# Altium PCB STM32F405.PcbDoc (part 1 of 3) (continued)
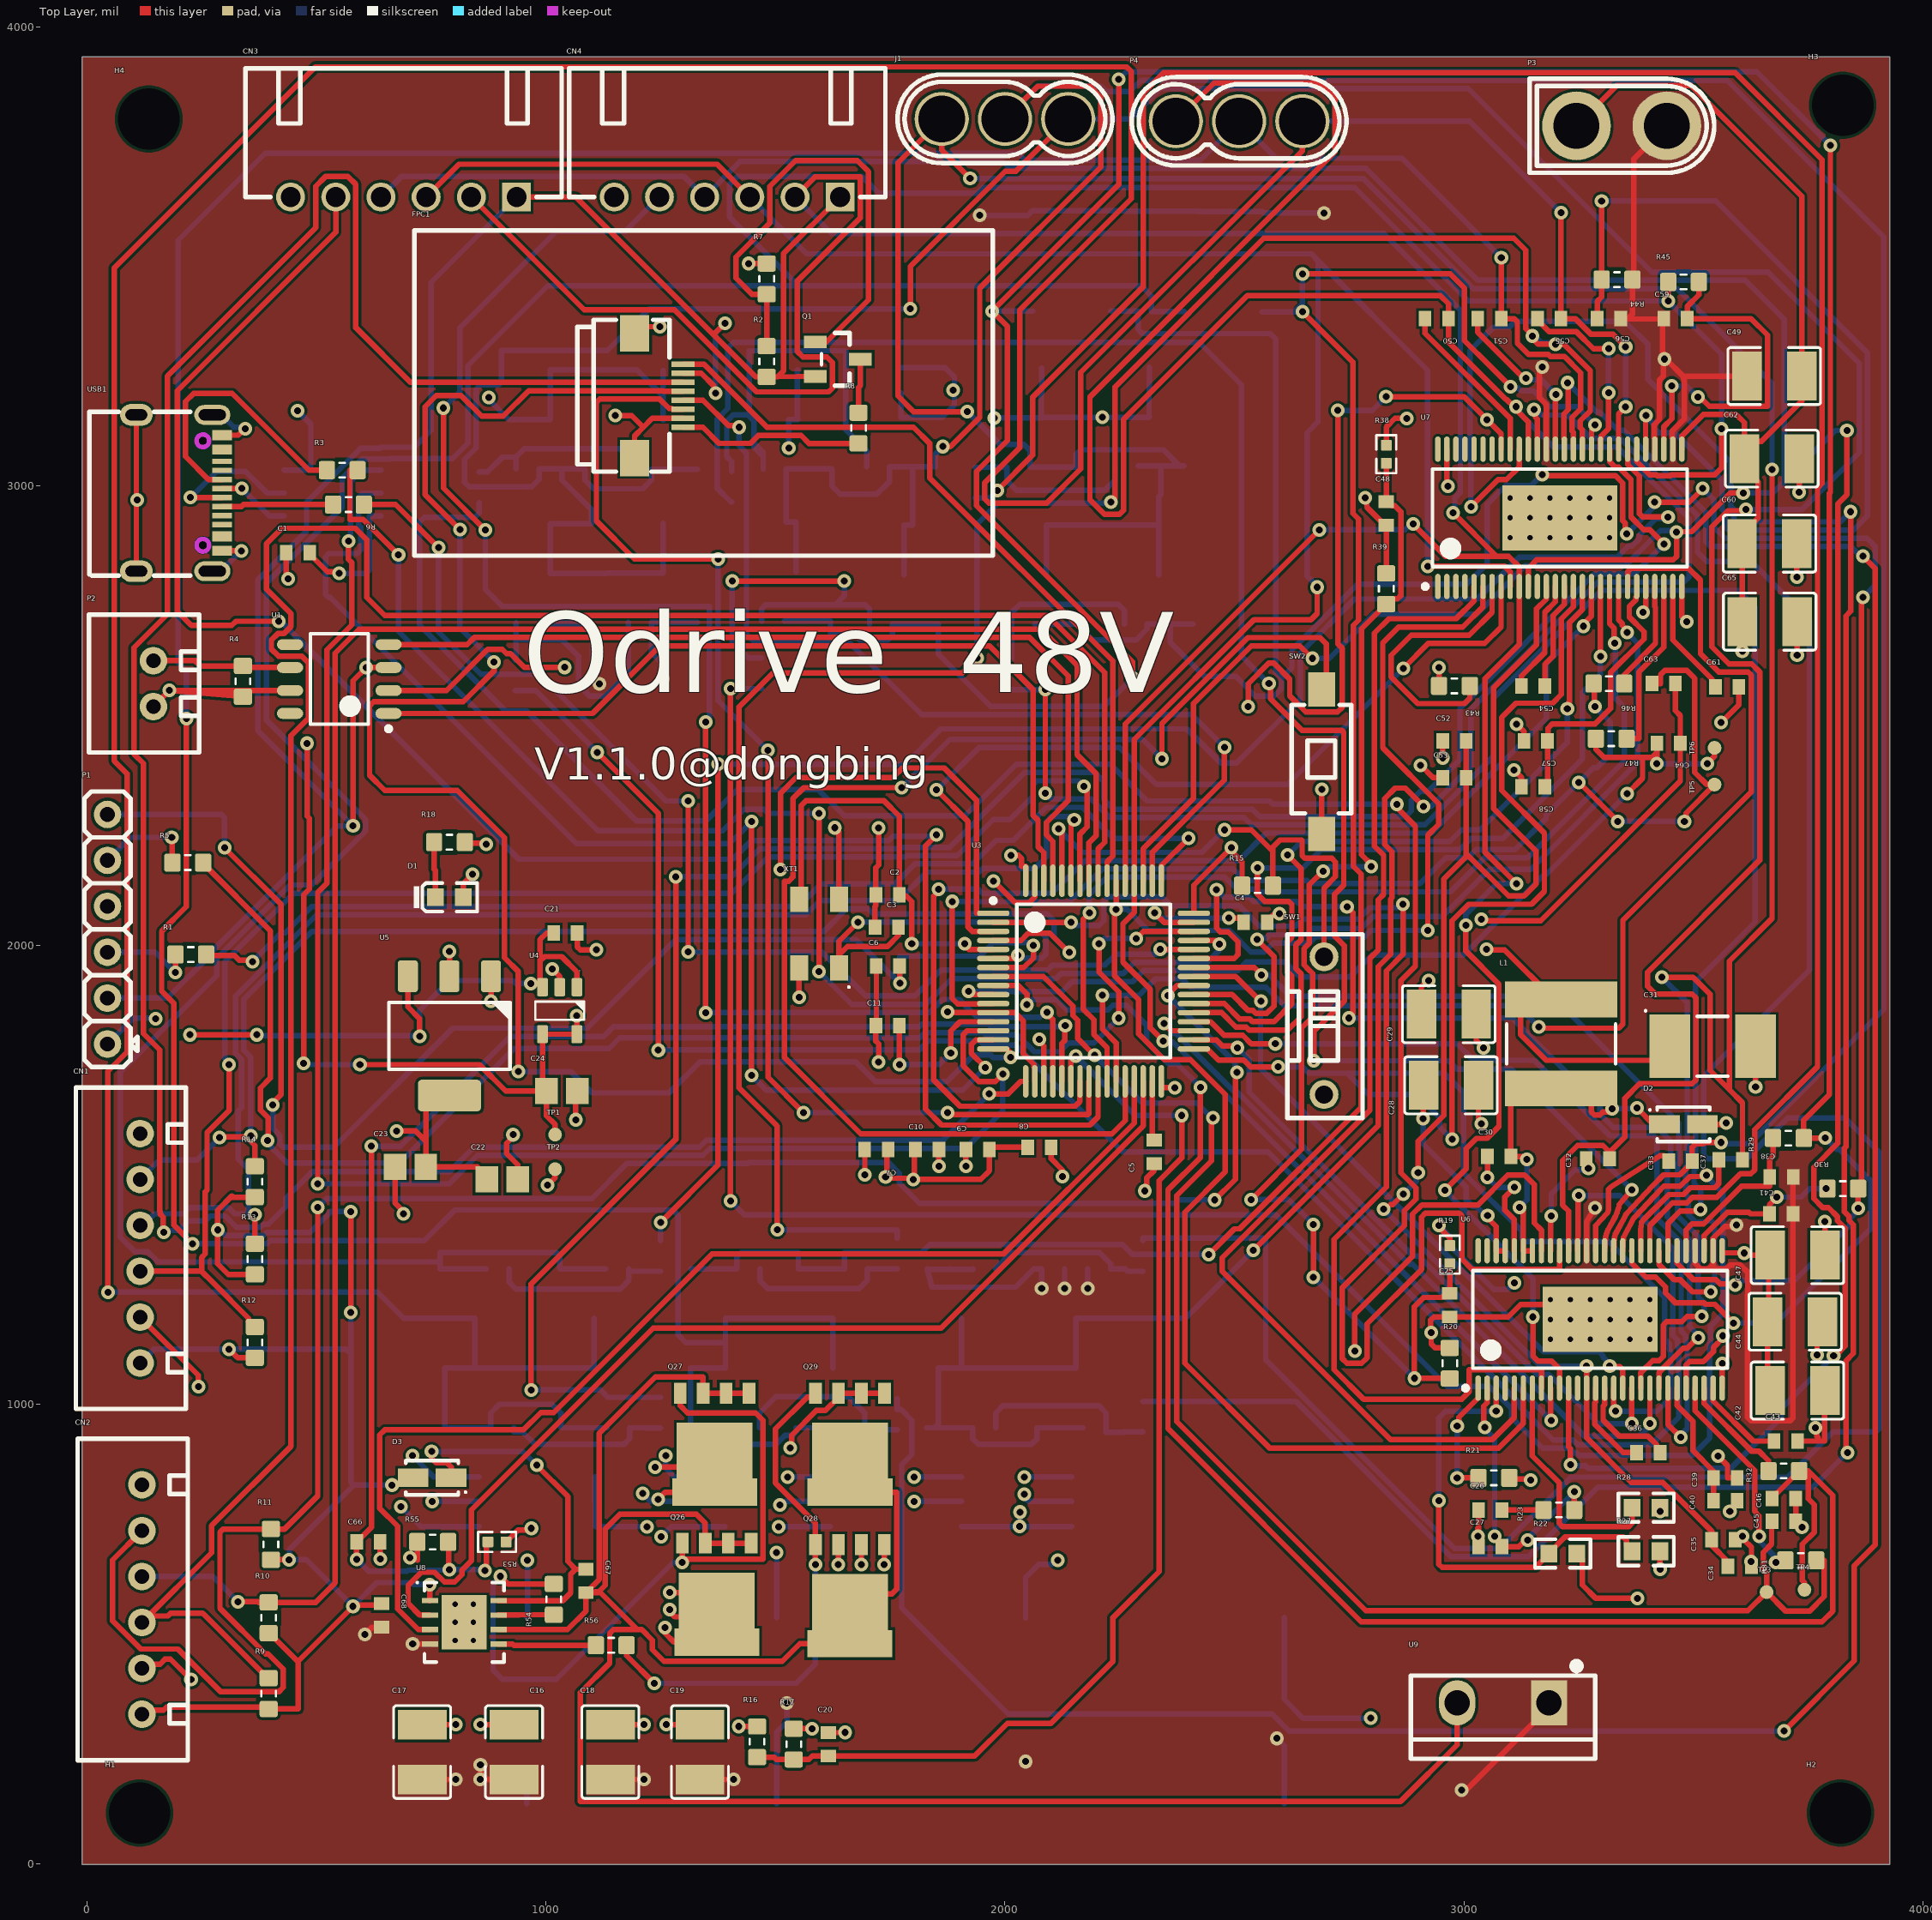
[diagram p0: Top Layer view]
## Footprints (in the part's own frame and the unit in brackets; to place one, negate y for a bottom-side part, rotate by r counter-clockwise, add the part's x,y. Pads: shape width x height; smd on the part's side, far side on the other; paste and mask are expansions set on the pad) (continued)
  rect 0.6x0.9 on Top Paste: 11(-1.875,3) 11(-0.65,3) 11(0.65,3) 11(1.875,3)
  rect 4.7x1.5 smd paste-10 mask+0.075: D(0,2.75)
  rect 4.2x2.2 smd paste-10 mask+0.075: D(0,1.35) D(0,0)
  rect 0.7x1.15 smd paste-0.05 mask+0.075: G(1.905,-2.725) S(-1.905,-2.725) S(-0.635,-2.725) S(0.635,-2.725)
  body extent -2.57,-2.95 2.58,3.2, height 1.13
SOIC127P600X175-8N [mm] "SOIC, 8-Leads, Body 4.90x3.90mm, Pitch 1.27mm, IPC Medium Density"
  oval 1.45x0.6 smd: 1(-2.725,1.905) 2(-2.725,0.635) 3(-2.725,-0.635) 4(-2.725,-1.905) 5(2.725,-1.905) 6(2.725,-0.635) 7(2.725,0.635) 8(2.725,1.905)
  silkscreen extent -2.85,-2.5 1.6,2.88, body extent -2,-2.5 2,2.5, height 1.75
SON80P400X80_HS-9N [mm] "SON, 8-Leads, Body 4.00x4.00mm, Pitch 0.80mm, Thermal Pad 3.00x2.49mm, IPC Medium Density"
  rect 0.9x0.3 smd mask+0: 1(-1.895,1.2) 2(-1.895,0.4) 3(-1.895,-0.4) 4(-1.895,-1.2) 5(1.895,-1.2) 6(1.895,-0.4) 7(1.895,0.4) 8(1.895,1.2)
  rect 2.49x3 smd paste-1.245 mask+0: 9(0,0)
  silkscreen extent -2.65,-2.2 2.2,2.25, body extent -2.05,-2.05 2.05,2.05, height 0.8
SOT23-5 [mm]
  round 0.5 on Mech15: 0(0,0)
  rrect25% 1x0.6 smd: 1(-1.3,0.95) 2(-1.3,0) 3(-1.3,-0.95) 4(1.3,-0.95) 5(1.3,0.95)
  silkscreen extent -0.51,-1.35 0.51,1.35, body extent -1.4,-1.45 1.4,1.45, height 1.44
SOT223 [mm]
  round 1 on Mech15: 0(0,0)
  rrect25% 1.75x1.1 smd: 1(-3.3,2.3) 2(-3.3,0) 3(-3.3,-2.3)
  rrect25% 1.75x3.5 smd: 4(3.3,0)
  silkscreen extent -1.85,-3.35 1.85,3.35, body extent -3.65,-3.35 3.65,3.35, height 1.8
SOT-23(SOT-23-3) [mm]
  rect 1.25x0.7 smd: 1(1.25,-0.95) 2(1.25,0.95) 3(-1.25,0)
  silkscreen extent -0.65,-1.46 0.9,1.46, body extent -1.5,-1.5 1.5,1.5, height 1.3
STM-LQFP64_N [mm]
  oval 1.8x0.3 smd: 1(-5.55,3.75) 2(-5.55,3.25) 3(-5.55,2.75) 4(-5.55,2.25) 5(-5.55,1.75) 6(-5.55,1.25) 7(-5.55,0.75) 8(-5.55,0.25) 9(-5.55,-0.25) 10(-5.55,-0.75) 11(-5.55,-1.25) 12(-5.55,-1.75) 13(-5.55,-2.25) 14(-5.55,-2.75) 15(-5.55,-3.25) 16(-5.55,-3.75) 33(5.55,-3.75) 34(5.55,-3.25) 35(5.55,-2.75) 36(5.55,-2.25) 37(5.55,-1.75) 38(5.55,-1.25) 39(5.55,-0.75) 40(5.55,-0.25) 41(5.55,0.25) 42(5.55,0.75) 43(5.55,1.25) 44(5.55,1.75) 45(5.55,2.25) 46(5.55,2.75) 47(5.55,3.25) 48(5.55,3.75)
  oval 0.3x1.8 smd: 17(-3.75,-5.55) 18(-3.25,-5.55) 19(-2.75,-5.55) 20(-2.25,-5.55) 21(-1.75,-5.55) 22(-1.25,-5.55) 23(-0.75,-5.55) 24(-0.25,-5.55) 25(0.25,-5.55) 26(0.75,-5.55) 27(1.25,-5.55) 28(1.75,-5.55) 29(2.25,-5.55) 30(2.75,-5.55) 31(3.25,-5.55) 32(3.75,-5.55) 49(3.75,5.55) 50(3.25,5.55) 51(2.75,5.55) 52(2.25,5.55) 53(1.75,5.55) 54(1.25,5.55) 55(0.75,5.55) 56(0.25,5.55) 57(-0.25,5.55) 58(-0.75,5.55) 59(-1.25,5.55) 60(-1.75,5.55) 61(-2.25,5.55) 62(-2.75,5.55) 63(-3.25,5.55) 64(-3.75,5.55)
  silkscreen extent -5.67,-4.25 4.25,4.57, body extent -5,-5 5,5, height 1.6
SW-SMD_L6.0-W3.3-LS8.0 [mm] "轻触开关"
  rect 1.9x1.5 smd: 1(-4,0) 2(4,0)
  silkscreen extent -3.14,-1.67 2.86,1.63
SW-TH_DSWB01LHGET [mm] "单刀拨码开关"
  round 1.6 hole 1: 1(0,3.81) 2(0,-3.81)
  silkscreen extent -2.02,-5.11 2.13,5.05
TO-220-2L_L10.2-W4.6-P5.08-L [mm] "220封装2插电阻"
  rect 2x2.5 hole 1.4: 1(-2.54,0)
  oval 2x2.5 hole 1.4: 2(2.54,0)
  silkscreen extent -5.1,-2.23 5.1,3.1
TP-R30 [mil]
  round 30 smd paste-30 mask+3: 1(0,0)
  body extent -18,-18 18,18, height 10
TSSOP50P810X120_HS-57N [mm] "TSSOP, 56-Leads, Body 14.00x6.10mm, Pitch 0.50mm, Thermal Pad 6.35x3.61mm, IPC Medium Density"
  oval 1.4x0.3 smd: 1(-3.8,6.75) 2(-3.8,6.25) 3(-3.8,5.75) 4(-3.8,5.25) 5(-3.8,4.75) 6(-3.8,4.25) 7(-3.8,3.75) 8(-3.8,3.25) 9(-3.8,2.75) 10(-3.8,2.25) 11(-3.8,1.75) 12(-3.8,1.25) 13(-3.8,0.75) 14(-3.8,0.25) 15(-3.8,-0.25) 16(-3.8,-0.75) 17(-3.8,-1.25) 18(-3.8,-1.75) 19(-3.8,-2.25) 20(-3.8,-2.75) 21(-3.8,-3.25) 22(-3.8,-3.75) 23(-3.8,-4.25) 24(-3.8,-4.75) 25(-3.8,-5.25) 26(-3.8,-5.75) 27(-3.8,-6.25) 28(-3.8,-6.75) 29(3.8,-6.75) 30(3.8,-6.25) 31(3.8,-5.75) 32(3.8,-5.25) 33(3.8,-4.75) 34(3.8,-4.25) 35(3.8,-3.75) 36(3.8,-3.25) 37(3.8,-2.75) 38(3.8,-2.25) 39(3.8,-1.75) 40(3.8,-1.25) 41(3.8,-0.75) 42(3.8,-0.25) 43(3.8,0.25) 44(3.8,0.75) 45(3.8,1.25) 46(3.8,1.75) 47(3.8,2.25) 48(3.8,2.75) 49(3.8,3.25) 50(3.8,3.75) 51(3.8,4.25) 52(3.8,4.75) 53(3.8,5.25) 54(3.8,5.75) 55(3.8,6.25) 56(3.8,6.75)
  rect 3.61x6.35 smd: 57(0,0)
  silkscreen extent -3.92,-7.05 2.7,7.57, body extent -3.1,-7.05 3.1,7.05, height 1.2
USB-C-SMD_TYPE-C-16PIN-2MD-073 [mm]
  rect 0.55x1.1 smd paste-100 mask+0.05: 1(0.05,-0.025) 2(0.85,-0.025) 11(5.65,-0.025) 12(6.45,-0.025)
  rect 0.3x1.1 smd paste-100 mask+0.05: 3(1.5,-0.025) 4(2,-0.025) 5(2.5,-0.025) 6(3,-0.025) 7(3.5,-0.025) 8(4,-0.025) 9(4.5,-0.025) 10(5,-0.025)
  oval 1.1x2 hole 0.6 slot 1.5 at 90 deg paste-2539.97 mask+0.05: 13(-1.075,-0.575) 14(7.575,-0.575)
  oval 1.2x1.8 hole 0.6 slot 1.2 at 90 deg paste-2539.97 mask+0.05: 13(-1.075,-4.775) 14(7.575,-4.775)
  Keep-Out Layer board cut-out: 0.71,-1.095 0.661,-0.923 0.533,-0.797 0.36,-0.751 0.187,-0.797 0.059,-0.923 0.01,-1.095 0.01,-1.095 0.059,-1.267 0.187,-1.393 0.36,-1.439 0.533,-1.393 0.661,-1.267 0.71,-1.095
  Keep-Out Layer board cut-out: 6.49,-1.095 6.441,-0.923 6.313,-0.797 6.14,-0.751 5.967,-0.797 5.839,-0.923 5.79,-1.095 5.79,-1.095 5.839,-1.267 5.967,-1.393 6.14,-1.439 6.313,-1.393 6.441,-1.267 6.49,-1.095
  Multi-Layer keep-out circle w0.254: c0.36,-1.095 r0.35
  Multi-Layer keep-out circle w0.254: c6.14,-1.095 r0.35
  silkscreen extent -1.25,-7.37 7.82,-1.8
XH254-2 [mil]
  round 60 hole 32: 1(-50,0) 2(50,0)
  silkscreen extent -150,-100 150,140, body extent -146,-93 146,133, height 276
XH254-6 [mil]
  round 60 hole 32: 1(-250,0) 1(-250,0) 2(-150,0) 3(-50,0) 4(50,0) 5(150,0) 6(250,0)
  silkscreen extent -350,-100 350,140

## Part data
C1 C6 C7 C8 C9 C10 C11 C30 C67: library part GRM188R71H104KA93D, "CAP CER 0.1UF 50V X7R 0603", Manufacturer="Murata Electronics North America", Operating Temperature="-55°C ~ 125°C", Package / Case="0603 (1608 Metric)", Ratings=-, Supplier Part Number 1=490-1519-2-ND, Temperature Coefficient=X7R, Tolerance=±10%, Voltage - Rated=50V, Applications="General Purpose", Capacitance=0.1uF, Category=Capacitors, ComponentLink1Description=http://www.murata.com/~/media/webrenewal/support/library/catalog/products/capacitor/mlcc/c02e.ashx?la=en-us, ComponentLink1URL=http://www.murata.com/~/media/webrenewal/support/library/catalog/products/capacitor/mlcc/c02e.ashx?la=en-us, Features=-, Height - Seated (Max)=-, Lead Spacing=-, Lead Style=-, Manufacturer Part Number=GRM188R71H104KA93D, Mounting Type="Surface Mount, MLCC", Packaging="Tape & Reel (TR)", Part Status=Active, Pricing 1="4000=0.01822, 8000=0.01663, 12000=0.01584 (USD)", Pricing 2="1=0.12, 10=0.084, 100=0.0396, 500=0.02778, 1000=0.023 (USD)", RoHS="RoHS Compliant", Size / Dimension="0.063\" L x 0.032\" W (1.60mm x 0.80mm)", Stock=19812000, Supplier 1=Digi-Key, Supplier 2=Digi-Key, Supplier Part Number 2=490-1519-1-ND, Thickness (Max)="0.035\" (0.90mm)"
C2 C3: library part GRM1885C1H100JA01D, "CAP CER 10PF 50V NP0 0603", Manufacturer="Murata Electronics North America", Operating Temperature="-55°C ~ 125°C", Package / Case="0603 (1608 Metric)", Ratings=-, Supplier Part Number 1=490-1403-1-ND, Temperature Coefficient="C0G, NP0", Tolerance=±5%, Voltage - Rated=50V, Applications="General Purpose", Capacitance=10pF, Category=Capacitors, ComponentLink1Description=http://www.murata.com/~/media/webrenewal/support/library/catalog/products/capacitor/mlcc/c02e.pdf, ComponentLink1URL=http://www.murata.com/~/media/webrenewal/support/library/catalog/products/capacitor/mlcc/c02e.pdf, Features=-, Height - Seated (Max)=-, Lead Spacing=-, Lead Style=-, Manufacturer Part Number=GRM1885C1H100JA01D, Mounting Type="Surface Mount, MLCC", Packaging="Cut Tape (CT)", Pricing 1="1=0.1, 10=0.041, 50=0.0222, 100=0.0187, 250=0.01532, 500=0.0131, 1000=0.0102 (USD)", RoHS="RoHS Compliant", Size / Dimension="0.063\" L x 0.031\" W (1.60mm x 0.80mm)", Stock 1=450321, Supplier 1=Digi-Key, Thickness (Max)="0.035\" (0.90mm)"
C4 C5 C20 C21 C25 C34 C35 C39 C40 C43 C48 C52 C53 C57 C58 C61 C66 C68: library part GRM188R61C225KE15D, "CAP CER 2.2UF 16V X5R 0603", Manufacturer="Murata Electronics North America", Operating Temperature="-55°C ~ 85°C", Package / Case="0603 (1608 Metric)", Ratings=-, Supplier Part Number 1=490-3296-1-ND, Temperature Coefficient=X5R, Tolerance=±10%, Voltage - Rated=16V, Applications="General Purpose", Capacitance=2.2µF, Category=Capacitors, ComponentLink1Description=http://www.murata.com/~/media/webrenewal/support/library/catalog/products/capacitor/mlcc/c02e.pdf, ComponentLink1URL=http://www.murata.com/~/media/webrenewal/support/library/catalog/products/capacitor/mlcc/c02e.pdf, Features=-, Height - Seated (Max)=-, Lead Spacing=-, Lead Style=-, Manufacturer Part Number=GRM188R61C225KE15D, Mounting Type="Surface Mount, MLCC", Packaging="Cut Tape (CT)", Pricing 1="1=0.12, 10=0.08, 50=0.046, 100=0.038, 250=0.032, 500=0.0268, 1000=0.022 (USD)", RoHS="RoHS Compliant", Size / Dimension="0.063\" L x 0.031\" W (1.60mm x 0.80mm)", Stock 1=1255740, Supplier 1=Digi-Key, Thickness (Max)="0.035\" (0.90mm)"
C12 C13 C14 C15: library part VZH221M1JTR-1313, "63v 220uF 贴片电容", Equivalent Series Resistance(ESR)=-, JLCPCB Part Class="Extended Part", LCSC Part Name="220uF ±20% 63V", Lifetime @ Temp=5000hrs@105℃, Manufacturer=lelon(立隆), Operating Temperature=-45℃~+105℃, Rated Voltage=63V, Tolerance=±20%, Add into BOM=yes, Convert to PCB=yes, Datasheet=https://atta.szlcsc.com/upload/public/pdf/source/20190107/C358632_9559F0E8F2A4CAD9C84FAF7E6C56D904.pdf, Device=VZH221M1JTR-1313, L=13.5mm, Manufacturer Part=VZH221M1JTR-1313, Name=220uF, Ripple Current=-, Supplier=LCSC, Supplier Footprint=SMD,D12.5xL13.5mm, Supplier Part=C249882, Symbol=VZH221M1J1313-TRO, φD=12.5mm
C16 C17 C18 C19 C28 C29 C42 C44 C47 C49 C60 C62 C65: library part C1210X7R475K630NT, "4.7uF 63V 1210封装", JLCPCB Part Class="Extended Part", LCSC Part Name="4.7uF 63V", Manufacturer=SANYEAR(叁叶源), Temperature Coefficient=X7R, Voltage Rated=63V, Add into BOM=yes, Convert to PCB=yes, Datasheet=https://atta.szlcsc.com/upload/public/pdf/source/20210902/8F39E0658D363F48630A7672568BDC14.pdf, Device=C1210X7R475K630NT, Manufacturer Part=C1210X7R475K630NT, Name=4.7uF, Supplier=LCSC, Supplier Footprint=1210, Supplier Part=C2911397, Symbol=C1210X7R475K630NT
C22 C23 C24: "CAP CER 4.7UF 50V X5R 0805", Manufacturer="Murata Electronics North America", Operating Temperature="-55°C ~ 85°C", Package / Case="0805 (2012 Metric)", Ratings=-, Supplier Part Number 1=490-10751-2-ND, Temperature Coefficient=X5R, Tolerance=±10%, Voltage - Rated=50V, Applications="General Purpose", Category=Capacitors, ComponentLink1Description=http://search.murata.co.jp/Ceramy/image/img/A01X/G101/ENG/GRM21BR61H475KE51-01.pdf, ComponentLink1URL=http://search.murata.co.jp/Ceramy/image/img/A01X/G101/ENG/GRM21BR61H475KE51-01.pdf, Features=-, Height - Seated (Max)=-, Lead Spacing=-, Lead Style=-, Manufacturer Part Number=GRM21BR61H475KE51L, Mounting Type="Surface Mount, MLCC", Packaging="Tape & Reel (TR)", Part Status=Active, Pricing 1="3000=0.08404, 6000=0.07774, 9000=0.07354 (USD)", Pricing 2="1=0.35, 10=0.242, 100=0.145, 500=0.10872, 1000=0.09181 (USD)", RoHS="RoHS Compliant", Size / Dimension="0.079\" L x 0.049\" W (2.00mm x 1.25mm)", Stock=15000, Supplier 1=Digi-Key, Supplier 2=Digi-Key, Supplier Part Number 2=490-10751-1-ND, Thickness (Max)="0.055\" (1.40mm)"
C26: library part GRM1885C1H271JA01D, "CAP CER 270PF 50V NP0 0603", Manufacturer="Murata Electronics North America", Operating Temperature="-55°C ~ 125°C", Package / Case="0603 (1608 Metric)", Ratings=-, Supplier Part Number 1=490-1437-1-ND, Temperature Coefficient="C0G, NP0", Tolerance=±5%, Voltage - Rated=50V, Applications="General Purpose", Capacitance=270pF, Category=Capacitors, ComponentLink1Description=http://www.murata.com/~/media/webrenewal/support/library/catalog/products/capacitor/mlcc/c02e.pdf, ComponentLink1URL=http://www.murata.com/~/media/webrenewal/support/library/catalog/products/capacitor/mlcc/c02e.pdf, Features=-, Height - Seated (Max)=-, Lead Spacing=-, Lead Style=-, Manufacturer Part Number=GRM1885C1H271JA01D, Mounting Type="Surface Mount, MLCC", Packaging="Cut Tape (CT)", Pricing 1="1=0.1, 10=0.048, 50=0.026, 100=0.022, 250=0.018, 500=0.0154, 1000=0.012 (USD)", RoHS="RoHS Compliant", Size / Dimension="0.063\" L x 0.031\" W (1.60mm x 0.80mm)", Stock 1=46048, Supplier 1=Digi-Key, Thickness (Max)="0.035\" (0.90mm)"
C27: library part GRM1885C2A820JA01D, "CAP CER 82PF 100V NP0 0603", Manufacturer="Murata Electronics North America", Operating Temperature="-55°C ~ 125°C", Package / Case="0603 (1608 Metric)", Ratings=-, Supplier Part Number 1=490-1349-1-ND, Temperature Coefficient="C0G, NP0", Tolerance=±5%, Voltage - Rated=100V, Applications="General Purpose", Capacitance=82pF, Category=Capacitors, ComponentLink1Description=http://www.murata.com/~/media/webrenewal/support/library/catalog/products/capacitor/mlcc/c02e.pdf, ComponentLink1URL=http://www.murata.com/~/media/webrenewal/support/library/catalog/products/capacitor/mlcc/c02e.pdf, Features=-, Height - Seated (Max)=-, Lead Spacing=-, Lead Style=-, Manufacturer Part Number=GRM1885C2A820JA01D, Mounting Type="Surface Mount, MLCC", Packaging="Cut Tape (CT)", Pricing 1="1=0.1, 10=0.052, 50=0.028, 100=0.0237, 250=0.01936, 500=0.01656, 1000=0.0129 (USD)", RoHS="RoHS Compliant", Size / Dimension="0.063\" L x 0.031\" W (1.60mm x 0.80mm)", Stock 1=58970, Supplier 1=Digi-Key, Thickness (Max)="0.035\" (0.90mm)"
C31: library part T495C686M016ATE250, "CAP TANT 68UF 16V 20% 2312 250mOhm", ESR (Equivalent Series Resistance)="250 mOhm", Lifetime @ Temp.="2000 Hrs @ 85°C", Manufacturer=KEMET, Manufacturer Size Code=C, Operating Temperature="-55°C ~ 125°C", Package / Case="2312 (6032 Metric)", Supplier Part Number 1=399-10452-1-ND, Tolerance=±20%, Category=Capacitors, ComponentLink1Description=https://search.kemet.com/component-edge/download/datasheet/T495C686M016ATE250.pdf, ComponentLink1URL=https://search.kemet.com/component-edge/download/datasheet/T495C686M016ATE250.pdf, Failure Rate=-, Features="General Purpose", Height - Seated (Max)="0.110\" (2.80mm)", Lead Spacing=-, Manufacturer Part Number=T495C686M016ATE250, Mounting Type="Surface Mount", Packaging="Cut Tape (CT)", Part Status=Active, Pricing 1="1=0.98, 10=0.747, 100=0.5345 (USD)", Pricing 2="500=0.35986, 1000=0.30988, 2500=0.28988, 5000=0.27608 (USD)", RoHS="RoHS Compliant", Size / Dimension="0.236\" L x 0.126\" W (6.00mm x 3.20mm)", Stock=39507, Supplier 1=Digi-Key, Supplier 2=Digi-Key, Supplier Part Number 2=399-10452-2-ND, Type=Molded
C32 C33 C36 C37 C50 C51 C54 C55: library part GRM188R71H223KA01D, "CAP CER 0.022UF 50V X7R 0603", Manufacturer="Murata Electronics North America", Operating Temperature="-55°C ~ 125°C", Package / Case="0603 (1608 Metric)", Ratings=-, Supplier Part Number 1=490-1517-2-ND, Temperature Coefficient=X7R, Tolerance=±10%, Voltage - Rated=50V, Applications="General Purpose", Capacitance=0.022µF, Category=Capacitors, ComponentLink1Description=http://search.murata.co.jp/Ceramy/image/img/A01X/G101/ENG/GRM188R71H223KA01-01.pdf, ComponentLink1URL=http://search.murata.co.jp/Ceramy/image/img/A01X/G101/ENG/GRM188R71H223KA01-01.pdf, Features=-, Height - Seated (Max)=-, Lead Spacing=-, Lead Style=-, Manufacturer Part Number=GRM188R71H223KA01D, Mounting Type="Surface Mount, MLCC", Packaging="Tape & Reel (TR)", Part Status=Active, Pricing 1="4000=0.01518, 8000=0.01386, 12000=0.0132 (USD)", Pricing 2="1=0.11, 10=0.083, 100=0.0372, 500=0.02656, 1000=0.02087 (USD)", RoHS="RoHS Compliant", Size / Dimension="0.063\" L x 0.032\" W (1.60mm x 0.80mm)", Stock=608000, Supplier 1=Digi-Key, Supplier 2=Digi-Key, Supplier Part Number 2=490-1517-1-ND, Thickness (Max)="0.035\" (0.90mm)"
C38 C41 C45 C46 C56 C59 C63 C64: library part GRM1885C1H222JA01D, "CAP CER 2200PF 50V NP0 0603", Manufacturer="Murata Electronics North America", Operating Temperature="-55°C ~ 125°C", Package / Case="0603 (1608 Metric)", Ratings=-, Supplier Part Number 1=490-1459-1-ND, Temperature Coefficient="C0G, NP0", Tolerance=±5%, Voltage - Rated=50V, Applications="General Purpose", Capacitance=2200pF, Category=Capacitors, ComponentLink1Description=http://www.murata.com/~/media/webrenewal/support/library/catalog/products/capacitor/mlcc/c02e.ashx, ComponentLink1URL=http://www.murata.com/~/media/webrenewal/support/library/catalog/products/capacitor/mlcc/c02e.ashx, Features=-, Height - Seated (Max)=-, Lead Spacing=-, Lead Style=-, Mounting Type="Surface Mount, MLCC", Packaging="Cut Tape (CT)", Part Status=Active, Pricing 1="1=0.11, 10=0.08, 25=0.058, 50=0.0434, 100=0.0355, 250=0.02972, 500=0.02536, 1000=0.01992 (USD)", RoHS="RoHS Compliant", Size / Dimension="0.063\" L x 0.031\" W (1.60mm x 0.80mm)", Stock 1=850589, Supplier 1=Digi-Key, Thickness (Max)="0.035\" (0.90mm)"
CN1 CN2: library part X8821WR-06S-N0SN, "6p 90度弯插", Current Rating (Max)=3A, JLCPCB Part Class="Extended Part", LCSC Part Name="1x6P 间距:2.5mm 弯插 系列:XH", Manufacturer="XKB Connection(中国星坤)", Operating Temperature Range=-, Add into BOM=yes, Contact Material=黄铜, Contact Plating=锡, Convert to PCB=yes, Datasheet=https://atta.szlcsc.com/upload/public/pdf/source/20211009/984C14C41D2B1156BCF8EEF5D296E395.pdf, Device=X8821WR-06S-N0SN, Manufacturer Part=X8821WR-06S-N0SN, Mounting Style=弯插, Name=X8821WR-06S-N0SN, Number of Pins=6P, Number of PINs Per Row=6, Number of Rows=1, Pins Structure=1x6P, Pitch=2.5mm, Reference Series=XH, Row Spacing=-, Supplier=LCSC, Supplier Footprint=弯插,P=2.54mm, Supplier Part=C388743, Symbol=X8821WR-06S-N0SN
CN3 CN4: "6p 90度弯插", Current Rating (Max)=3A, JLCPCB Part Class="Extended Part", LCSC Part Name="1x6P 间距:2.5mm 弯插 系列:XH", Manufacturer="XKB Connection(中国星坤)", Operating Temperature Range=-, Add into BOM=yes, Contact Material=黄铜, Contact Plating=锡, Convert to PCB=yes, Datasheet=https://atta.szlcsc.com/upload/public/pdf/source/20211009/984C14C41D2B1156BCF8EEF5D296E395.pdf, Device=X8821WR-06S-N0SN, Manufacturer Part=X8821WR-06S-N0SN, Mounting Style=弯插, Name=X8821WR-06S-N0SN, Number of Pins=6P, Number of PINs Per Row=6, Number of Rows=1, Pins Structure=1x6P, Pitch=2.5mm, Reference Series=XH, Row Spacing=-, Supplier=LCSC, Supplier Footprint=弯插,P=2.54mm, Supplier Part=C388743, Symbol=X8821WR-06S-N0SN
D1: library part "0603 绿灯", "发光二极管", Package=0603, SuppliersPartNumber=C72043, ComponentLink1Description=供应商链接, ComponentLink1URL=http://www.szlcsc.com/product/details_73152.html, Supplier=LC
D2 D3: "Rectifier Diode, Single, 40 V, 1 A, SOD-123FL, 2, 550 mV"
FPC1: "显示屏 8P FPC接口", JLCPCB Part Class="Extended Part", LCSC Part Name="间距:0.5mm P数:8P 翻盖式 下接", Manufacturer=JS(钜硕电子), Add into BOM=yes, Contact Type=下接, Convert to PCB=yes, Datasheet=https://atta.szlcsc.com/upload/public/pdf/source/20190816/C413942_2A72D1AC756EAE17EEDF756A339D4500.pdf, Device=AFC01-S08FCA-00, FFC, FCB Thickness=0.3mm, Height Above Board=2mm, Locking Feature=翻盖式, Manufacturer Part=AFC01-S08FCA-00, Mounting Type=卧贴, Name=AFC01-S08FCA-00, Number of Contacts=8P, Pitch=0.5mm, Supplier=LCSC, Supplier Footprint=SMD,P=0.5mm,卧贴, Supplier Part=C262657, Symbol=AFC01-S08FCA-00
H1 H2 H3 H4: "M3 Hole with no copper"
J1: library part "Header 3", "Header, 3-Pin", LatestRevisionDate=17-Jul-2002, LatestRevisionNote="Re-released for DXP Platform.", Publisher="Altium Limited"
L1: library part NR6028T220M, "INDUCTOR 22UH 1.4A 175.5 MOHM"
P1: "Header, 6-Pin", LatestRevisionDate=17-Jul-2002, LatestRevisionNote="Re-released for DXP Platform.", Publisher="Altium Limited"
P2 P3: "Header, 2-Pin", LatestRevisionDate=17-Jul-2002, LatestRevisionNote="Re-released for DXP Platform.", Publisher="Altium Limited"
P4: "Header, 3-Pin", LatestRevisionDate=17-Jul-2002, LatestRevisionNote="Re-released for DXP Platform.", Publisher="Altium Limited"
Q1: library part 8550_SOT-23, "PNP型小功率三极管", HelpURL=http://pdf1.alldatasheetcn.com/datasheet-pdf/view/33679/WINGS/9014.html
Q2 Q3 Q4 Q5 Q6 Q7 Q8 Q9 Q10 Q11 Q12 Q13 Q14 Q15 Q16 Q17 Q18 Q19 Q20 Q21 Q22 Q23 Q24 Q25 Q26 Q27 Q28 Q29: "MOSFET N-CH 60V SO8FL", Current - Continuous Drain (Id) @ 25°C=-, Drive Voltage (Max Rds On,  Min Rds On)="4.5V, 10V", Input Capacitance (Ciss) (Max) @ Vds="3600pF @ 25V", Manufacturer="ON Semiconductor", Manufacturer Part Number=NTMFS5C628NLT1G, Operating Temperature="-55°C ~ 175°C (TJ)", Package / Case=8-PowerTDFN, Power Dissipation (Max)="3.7W (Ta), 110W (Tc)", Supplier Device Package="5-DFN (5x6) (8-SOFL)", Supplier Part Number 1=NTMFS5C628NLT1GOSCT-ND, Category="Discrete Semiconductor Products", ComponentLink1Description=http://www.onsemi.com/pub/Collateral/NTMFS5C628NL-D.PDF, ComponentLink1URL=http://www.onsemi.com/pub/Collateral/NTMFS5C628NL-D.PDF, FET Feature=-, FET Type=N-Channel, Gate Charge (Qg) (Max) @ Vgs="52nC @ 10V", Mounting Type="Surface Mount", Packaging="Cut Tape (CT)", Part Status=Active, Pricing 1="1=1.8, 10=1.627, 100=1.3078, 500=1.01716 (USD)", Pricing 2="1500=0.81823 (USD)", Rds On (Max) @ Id, Vgs="2.4 mOhm @ 50A, 10V", RoHS="RoHS Compliant", Stock=1490, Supplier 1=Digi-Key, Supplier 2=Digi-Key, Supplier Part Number 2=NTMFS5C628NLT1GOSTR-ND, Technology="MOSFET (Metal Oxide)", Vgs (Max)=±20V, Vgs(th) (Max) @ Id="2V @ 135µA"